# Allegro board pc065a_toplevel_61.brd (continued)
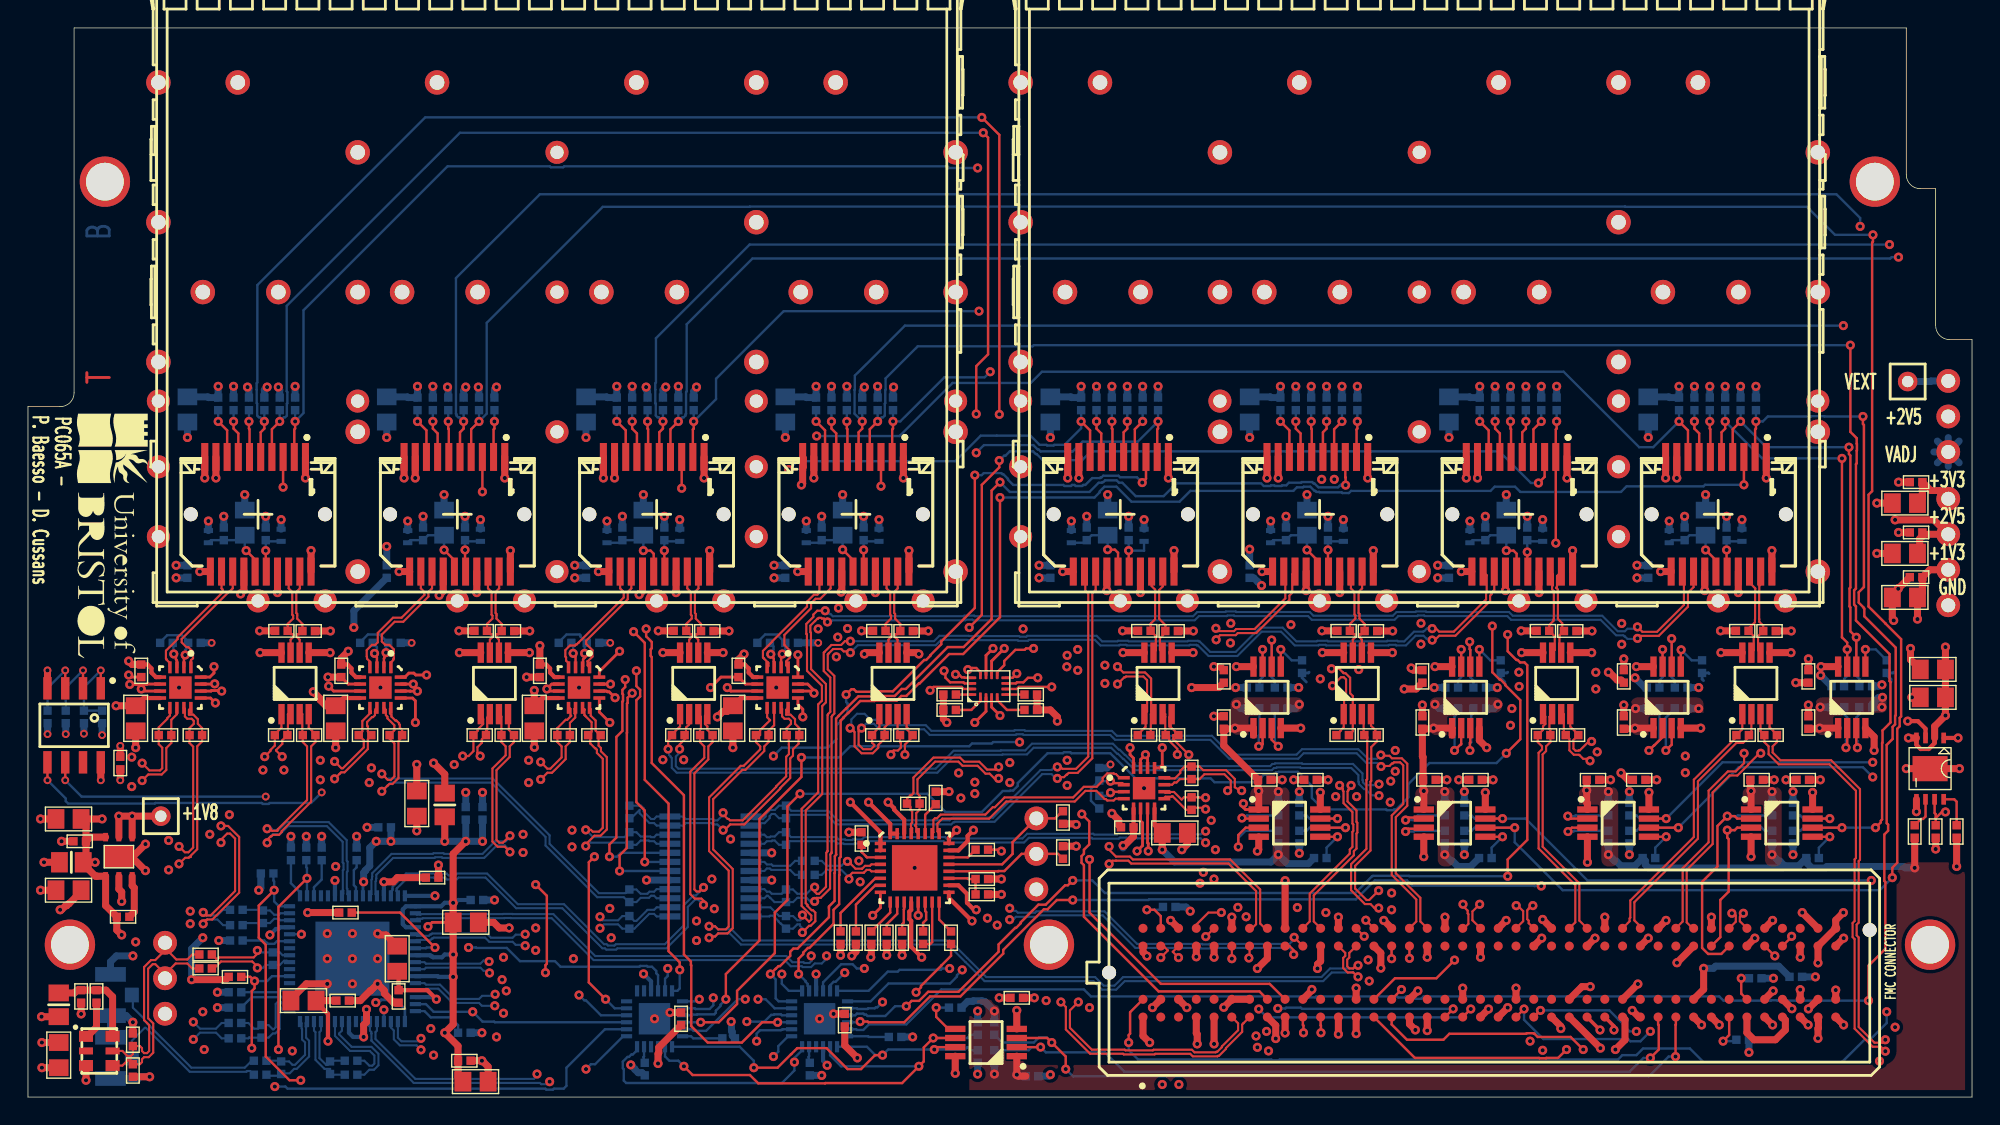
[diagram p0: board, top side]
## Routing (per net, layer and track width the routed paths; a pad name or vN(x,y) marks a point on that pad's centre or on a via; arc(x,y) is an arc through that point) (continued)
REC_CLK_FPGA_N: length 18.7
  TOP w0.15: IC13.11 81.81,22.35 81.97,22.51 82.12,22.51 82.36,22.75 R97.1 83.76,22.75 84.11,23.1 85.54,23.1 86,22.64 86,22.15 v1(85.78,21.93) ; v1(84.21,11.48) J10.H5
  L6_SIG w0.15: v1(85.78,21.93) 85.78,21.73 85.97,21.52 85.97,20.37 85.93,20.33 85.93,19.16 85.78,19.01 85.78,18.91 85.67,18.8 85.67,18.26 85.67,18.26 85.67,15.34 83.89,13.55 83.89,12.97 84.16,12.7 84.48,12.44 84.5,12.42 84.59,11.89 84.34,11.52 84.22,11.5 v1(84.21,11.48)
REC_CLK_FPGA_P: length 21
  TOP w0.15: J10.H4 83.53,12.34 84.4,13.2 85.32,13.2 v1(85.33,13.21) ; IC13.12 81.3,22.8 82,22.8 82.39,23.19 82.39,23.34 82.7,23.65 R97.2 83.77,23.65 84.03,23.39 85.66,23.39 86.29,22.76 86.29,22.17 86.6,21.98 86.66,22 v1(86.78,21.93)
  L6_SIG w0.15: v1(86.78,21.93) 86.6,21.93 86.28,21.61 86.28,20.24 86.24,20.2 86.24,19.03 86.09,18.88 86.09,18.78 85.98,18.68 85.98,18.14 85.98,18.13 85.98,15.21 84.2,13.42 84.2,13.1 84.37,12.93 84.64,12.7 84.7,12.7 84.83,12.73 85.12,13.15 85.3,13.18 v1(85.33,13.21)
RST_I2C_B: length 54.6
  TOP w0.17: v1(67.2,30.59) 67.39,30.59 67.5,30.7 67.8,30.7 68.1,30.4 IC21.12
  L6_SIG w0.17: v1(54.8,2.5) 55.15,2.85 57.71,2.85 58.18,3.33 58.53,3.33 61.88,6.67 61.88,7.12 62.5,7.74 62.5,9 63.3,9.8 63.3,12.54 63.08,12.76 63.08,13.29 63.3,13.51 63.3,15.6 62.88,16.02 62.88,16.12 62.83,16.16 62.83,16.64 62.88,16.68 62.88,22.77 66.47,26.38 66.47,26.52 67.58,27.62 67.58,30.21 v1(67.2,30.59)
  BOTTOM w0.17: IC10.24 55.35,3.35 54.8,2.8 v1(54.8,2.5) 54.8,1.9 53.91,1.01 42.77,1.01 42.6,1.18 42.6,1.99 42.53,2.06 42.53,2.54 42.86,2.87 42.97,2.87 43.15,3.05 43.25,3.05 43.55,3.35 IC23.24
RST_I2C_B_CVCC: length 43.3
  TOP w0.17: v1(71.9,32.1) 71.36,32.1 71.26,32 70.6,32 69.8,31.2 69.8,30.9 69.3,30.4 IC21.9 ; J10.D9 88.78,8.1 81,8.1 75.9,13.2 v1(75.9,17)
  L6_SIG w0.17: v1(75.9,17) 75.9,17.49 75.74,17.65 75.74,18.16 74.98,18.92 74.71,18.92 74.38,19.26 74.38,19.73 74.42,19.78 74.42,21.7 74.45,21.73 74.54,21.73 74.87,22.06 74.87,22.15 75.01,22.29 75.01,24.59 70.17,29.42 70.17,30.02 70.13,30.06 70.13,30.54 70.17,30.58 70.17,30.98 71.2,32 71.26,32 71.36,32.1 v1(71.9,32.1)
SFP_FAULT<0>: length 129.6
  TOP w0.17: v1(19.1,48.35) 19.1,47.83 19.04,47.77 J7.2
  L6_SIG w0.17: v1(59.8,9.2) 59.5,9.5 59.5,10.15 59.9,10.55 59.9,11 60,11.1 60,12.59 59.83,12.76 59.83,13.24 60,13.41 60,15.09 60.07,15.16 60.07,15.64 60,15.71 60,19.8 60.93,20.73 60.93,21.34 61.26,21.67 61.43,21.67 62.22,22.46 62.22,23.05 63.9,24.73 63.9,30 64.22,30.32 64.22,31.12 65.1,32 65.1,35 65.2,35.1 65.2,62.98 67.9,65.68 v1(67.9,66.48)
  BOTTOM w0.17: IC10.10 56.85,8.21 58.14,9.5 58.96,9.5 59.26,9.2 v1(59.8,9.2) ; R24.2 v1(19.1,48.35) 19.7,48.95 19.7,56.3 30,66.6 37.31,66.6 37.38,66.53 38.27,66.53 38.34,66.6 65.74,66.6 65.86,66.48 v1(67.9,66.48)
SFP_FAULT<1>: length 65.8
  TOP w0.17: J12.2 33.29,47.77 33.35,47.83 v1(33.35,48.35)
  L3_SIG w0.17: v1(39,9.9) 55,9.9 55.5,9.4 57.36,9.4 57.86,8.9 v1(58.4,8.9)
  L6_SIG w0.17: v1(33.35,48.35) 33.35,22.22 33.5,22.07 33.5,17 38.9,11.6 38.9,10.49 39,10.39 v1(39,9.9)
  BOTTOM w0.17: IC10.11 57.35,8 57.6,8.25 57.74,8.25 v1(58.4,8.9) ; R36.2 v1(33.35,48.35)
SFP_FAULT<2>: length 86.7
  TOP w0.17: J16.2 47.54,47.77 47.6,47.83 v1(47.6,48.35)
  L6_SIG w0.17: v1(68,56.23) 68,55.74 68.1,55.64 68.1,50.5 68.4,50.2 68.4,49.14 68.42,49.12 68.42,48.68 68.4,48.66 68.4,32.77 68.1,32.47 68.1,31.73 68.4,31.43 68.4,26.26 67.17,25.03 66.86,25.03 64.99,23.16 64.99,22.27 64.96,22.23 64.96,21.49 65,21.45 65,18.64 66.64,16.99 66.64,13.02 66.6,12.97 66.6,12.23 66.64,12.18 66.64,9.94 v1(65.9,9.2)
  BOTTOM w0.17: v1(68,56.23) 54.03,56.23 49.2,51.4 49.2,49.95 v1(47.6,48.35) R44.2 ; v1(65.9,9.2) 65.36,9.2 65.26,9.1 62.32,9.1 62.19,8.97 61.48,8.97 60.1,7.6 IC10.12
SFP_FAULT<3>: length 66.7
  TOP w0.17: v1(61.85,48.35) 61.85,47.83 61.79,47.77 J20.2
  L6_SIG w0.17: v1(68.8,51.9) 68.8,51.36 68.88,51.29 68.88,34.22 68.73,34.07 68.73,32.64 68.43,32.34 68.43,31.86 68.73,31.56 68.73,26.12 67.31,24.7 67,24.7 65.33,23.02 65.33,22.14 65.29,22.1 65.29,21.62 65.33,21.58 65.33,18.77 66.97,17.13 66.97,12.88 66.93,12.84 66.93,12.36 67.18,12.11 67.18,9.48 v1(66.8,9.1)
  BOTTOM w0.17: v1(66.8,9.1) 66.42,8.72 66.42,8.62 65.92,8.12 61.52,8.12 60.25,6.85 IC10.13 ; v1(68.8,51.9) 68.4,51.5 65.52,51.5 62.37,48.35 v1(61.85,48.35) R52.2
SFP_FAULT<4>: length 63.4
  TOP w0.17: J36.2 80.74,47.77 80.8,47.83 v1(80.8,48.35)
  L6_SIG w0.17: v1(61.1,6.8) 61.1,7.34 61,7.44 61,8.9 60.83,9.07 60.83,10.38 60.88,10.43 60.88,12.67 60.97,12.76 60.97,13.24 60.88,13.33 60.88,13.68 62.02,14.82 62.02,20.82 62.07,20.86 62.07,21.57 62.55,22.05 62.55,22.91 64.97,25.34 64.97,28.76 65.07,28.86 65.07,29.34 64.97,29.44 64.97,29.99 64.78,30.18 64.78,30.62 65.23,31.07 65.23,31.66 65.43,31.86 65.43,33.53 67.5,35.6 67.5,42.1 67.1,42.5 67.1,45.4 v1(67.8,46.1)
  BOTTOM w0.17: R125.2 v1(80.8,48.35) 79.35,46.9 75.4,46.9 74.7,46.2 72.4,46.2 72.26,46.34 72.19,46.34 71.88,46.65 68.35,46.65 v1(67.8,46.1) ; v1(61.1,6.8) 60.72,6.42 60.62,6.42 60.55,6.35 60.08,6.35 60.03,6.3 59.32,6.3 59.27,6.35 IC10.14
SFP_FAULT<5>: length 97.3
  TOP w0.17: v1(95.05,48.35) 95.05,47.83 94.99,47.77 J32.2 ; v1(105.8,15.8) 105.8,17 107.2,18.4 107.2,30.9 107,31.1 106.69,31.1 106.51,31.27 106.42,31.27 105.8,31.9 v1(105.8,33.1) ; v1(74.7,15.5) 74.35,15.15 74.15,15.15 72.76,13.77 72.25,13.77 70.98,12.5 70.98,12.44 70.65,12.1 70.58,12.1 69.4,10.92 69.4,10.4 66.53,7.53 64.36,7.53 63.71,6.88 63.18,6.88 v1(62.8,6.5)
  L6_SIG w0.17: v1(105.8,33.1) 105.31,33.1 105.21,33 103.51,33 99.98,36.53 99.03,36.53 98.41,37.16 98.41,38.04 98.7,38.34 98.7,45.8 96.15,48.35 v1(95.05,48.35)
  BOTTOM w0.17: v1(105.8,15.8) 98.77,15.8 98.74,15.83 96.16,15.83 96.13,15.8 96.1,15.8 94.9,14.6 77,14.6 76.1,15.5 v1(74.7,15.5) ; IC10.15 59.14,5.85 59.26,5.97 59.74,5.97 59.81,5.9 59.92,5.9 60.02,5.8 61.3,5.8 62,6.5 v1(62.8,6.5) ; R117.2 v1(95.05,48.35)
SFP_FAULT<6>: length 88.7
  TOP w0.17: v1(59.5,5.4) 60.04,5.4 60.09,5.35 62.65,5.35 64.5,7.2 66.67,7.2 69.73,10.26 69.73,10.53 72.64,13.44 72.9,13.44 73.57,14.1 v1(74.7,14.1) ; v1(109.3,48.35) 109.3,47.83 109.24,47.77 J28.2 v1(109.24,39.64)
  L6_SIG w0.17: v1(109.24,39.64) 109.24,23.94 108.2,22.9 v1(108.2,15.1)
  BOTTOM w0.17: R109.2 v1(109.3,48.35) ; v1(59.5,5.4) 59.45,5.35 IC10.16 ; v1(74.7,14.1) 80.1,14.1 80.15,14.14 94.94,14.14 96.3,15.5 98.6,15.5 98.97,15.12 107.68,15.12 107.71,15.1 v1(108.2,15.1)
SFP_FAULT<7>: length 130
  TOP w0.17: v1(123.55,48.35) 123.55,47.83 123.49,47.77 J24.2 ; v1(131.2,48.7) 131.2,48.16 131.27,48.09 131.27,36.49 130.9,36.12 130.9,35.38 131.27,35.01 131.27,34.96 131.3,34.93 131.3,34.4 133.54,32.16 133.54,27.32 133.5,27.27 133.5,26.67 133.32,26.49 133.32,25.62 132.9,25.2 132.9,19.59 133,19.49 133,19.06 132.73,18.79 132.73,15.46 132.8,15.39 132.8,10.6 131.6,9.4 v1(131.6,6.9)
  BOTTOM w0.17: R101.2 v1(123.55,48.35) 124.04,48.35 124.4,48.7 127.49,48.7 127.51,48.72 128.44,48.72 128.46,48.7 v1(131.2,48.7) ; v1(131.6,6.9) 125.09,6.9 125.07,6.93 124.63,6.93 124.61,6.9 121.23,6.9 120.93,7.2 99.79,7.2 99.62,7.03 99.14,7.03 98.97,7.2 98.52,7.2 98.44,7.12 97.97,7.12 97.89,7.2 92.11,7.2 92.04,7.13 91.56,7.13 91.49,7.2 76,7.2 75.5,7.7 65.3,7.7 62.8,5.2 60.13,5.2 59.73,4.8 59.27,4.8 59.22,4.85 IC10.17
SFP_I2C_SCL<0>: length 149.5
  TOP w0.17: v1(69.45,48.85) 69.45,68.85 v1(68.2,70.1) ; J7.5 16.64,47.57 16.9,47.83 v1(16.9,48.35) ; IC12.7 v1(93.63,19.93)
  L3_SIG w0.17: v1(69.45,48.85) 70.6,47.7 72.8,47.7 72.86,47.77 73.34,47.77 73.4,47.7 83.74,47.7 84.76,48.72 88.12,48.72 92.12,44.72 92.12,44.58 v1(92.5,44.2)
  L6_SIG w0.17: v1(92.5,44.2) 92.5,43.66 92.3,43.46 92.3,40.61 94.61,38.3 95.2,38.3 95.6,37.9 95.6,33.2 95.72,33.08 95.72,28.42 95.6,28.3 95.6,21.1 94.42,19.93 v1(93.63,19.93)
  BOTTOM w0.17: v1(93.63,19.93) 91.64,19.93 91.41,20.15 R140.1 ; R27.1 v1(16.9,48.35) 16.61,48.64 16.51,48.64 16.39,48.76 16.39,49.62 16.36,49.65 16.36,50.62 16.35,50.63 16.35,51.08 16.4,51.13 16.4,58.1 28.4,70.1 v1(68.2,70.1)
SFP_I2C_SCL<1>: length 198.7
  TOP w0.17: J12.5 30.89,47.57 31.15,47.83 v1(31.15,48.35) ; IC14.7 v1(105.43,19.93)
  L6_SIG w0.17: v1(131.8,15.5) 131.8,16.69 131.28,17.22 131.28,24.18 131.4,24.3 131.4,25.21 131.3,25.31 131.3,29.3 131.47,29.47 131.47,30.04 132,30.57 132,32.5 131.2,33.3 131.2,47.4 130.5,48.1 130.5,51.3 131,51.8 131,53.46 131.03,53.48 131.03,53.92 131,53.94 v1(131,62.3)
  BOTTOM w0.17: v1(131.8,15.5) 111.5,15.5 107.08,19.93 v1(105.43,19.93) 103.44,19.93 103.21,20.15 R145.1 ; v1(131,62.3) 131,62.9 129.3,64.6 36.6,64.6 30.6,58.6 30.6,48.9 30.64,48.86 30.64,48.76 30.76,48.64 30.86,48.64 v1(31.15,48.35) R39.1
SFP_I2C_SCL<2>: length 161
  TOP w0.17: J16.5 45.14,47.57 45.4,47.83 v1(45.4,48.35) ; IC15.7 v1(117.13,19.93)
  L6_SIG w0.17: v1(133.1,61) 133.1,55.2 131.67,53.77 131.67,49.07 131.82,48.92 131.82,48.48 131.6,48.26 131.6,36.76 132.37,35.99 132.37,35.51 131.6,34.74 131.6,33.57 132.4,32.77 132.4,30.5 131.8,29.9 131.8,27.4 132.6,26.6 132.6,24.16 132.39,23.95 v1(131.9,23.95)
  BOTTOM w0.17: R47.1 v1(45.4,48.35) 45.11,48.64 45.01,48.64 44.89,48.76 44.89,49.62 44.85,49.65 44.85,50.62 44.85,50.63 44.85,51.08 44.9,51.13 44.9,54.3 51.6,61 v1(133.1,61) ; R150.1 115.01,20.15 115.24,19.93 v1(117.13,19.93) 121.16,23.95 v1(131.9,23.95)
SFP_I2C_SCL<3>: length 119
  TOP w0.17: v1(59.65,48.35) 59.65,47.83 59.39,47.57 J20.5 ; IC16.7 v1(128.83,19.93)
  L6_SIG w0.17: v1(129.8,55.2) 129.1,54.5 129.1,42.1 129.4,41.8 129.4,20.5 v1(128.83,19.93)
  BOTTOM w0.17: v1(129.8,55.2) 62.7,55.2 59.12,51.62 59.12,50.62 59.1,50.6 59.1,48.9 v1(59.65,48.35) R55.1 ; v1(128.83,19.93) 126.94,19.93 126.71,20.15 R155.1
SFP_I2C_SCL<4>: length 28.1
  TOP w0.17: J36.5 78.34,47.57 78.6,47.83 v1(78.6,48.35) ; 88.28,30.8 v1(88.28,32.03)
  L6_SIG w0.17: v1(78.6,48.35) 80.5,46.45 80.5,41.8 82.47,39.84 82.47,39.39 82.51,39.34 82.51,38.87 82.47,38.82 82.47,37.84 85.83,34.47 86.24,34.47 86.57,34.14 86.57,33.73 v1(88.28,32.03)
  BOTTOM w0.17: R128.1 v1(78.6,48.35) ; v1(88.28,32.03) 88.28,30.04 88.05,29.81 R160.1
SFP_I2C_SCL<5>: length 28.1
  TOP w0.17: v1(92.85,48.35) 92.85,47.83 92.59,47.57 J32.5 ; IC18.7 v1(102.47,32.03)
  L6_SIG w0.17: v1(92.85,48.35) 94.8,46.4 94.8,41.84 94.95,41.69 94.95,41.65 97.07,39.53 97.07,37.56 99.43,35.2 99.89,35.2 102.47,32.62 v1(102.47,32.03)
  BOTTOM w0.17: v1(102.47,32.03) 102.47,30.04 102.25,29.81 R165.1 ; R120.1 v1(92.85,48.35)
SFP_I2C_SCL<6>: length 27.9
  TOP w0.17: J28.5 106.84,47.57 107.1,47.83 v1(107.1,48.35) ; IC19.7 v1(116.88,32.03)
  L6_SIG w0.17: v1(107.1,48.35) 108.7,46.75 108.7,44.6 109,44.3 109,41.53 116.88,33.66 v1(116.88,32.03)
  BOTTOM w0.17: R170.1 116.65,29.81 116.88,30.04 v1(116.88,32.03) ; R112.1 v1(107.1,48.35)
SFP_I2C_SCL<7>: length 30.7
  TOP w0.17: v1(121.35,48.35) 121.35,47.83 121.09,47.57 J24.5 ; IC20.7 v1(130.07,32.03) 130.07,32.52 129.7,32.9 v1(129.7,45.7)
  BOTTOM w0.17: R104.1 v1(121.35,48.35) 124,45.7 v1(129.7,45.7) ; v1(130.07,32.03) 130.07,30.14 129.85,29.91 R175.1
SFP_I2C_SDA<0>: length 148.2
  TOP w0.17: v1(68.3,69) 68.65,68.65 68.65,53.15 67.8,52.3 v1(67.8,48.88) ; v1(18,48.35) 17.44,47.79 J7.4 ; IC12.6 v1(94.2,19.27)
  L3_SIG w0.17: v1(93.4,44.2) 93.02,43.82 92.93,43.82 92.74,43.63 92.26,43.63 92.1,43.79 91.11,43.79 88.4,46.5 85.71,46.5 85.69,46.48 72.72,46.48 72,47.2 69.6,47.2 68.3,48.5 68.18,48.5 v1(67.8,48.88)
  L6_SIG w0.17: v1(93.4,44.2) 93.4,43.5 94.44,42.46 94.44,41.79 94.47,41.76 94.47,41.7 94.62,41.55 94.62,40.88 95.62,39.88 95.62,38.87 96.08,38.41 96.08,35.06 96.1,35.04 96.1,25.5 95.97,25.38 95.97,21.37 96.1,21.25 96.1,20.5 94.88,19.27 v1(94.2,19.27)
  BOTTOM w0.17: v1(68.3,69) 30.88,69 18.5,56.62 18.5,50.5 18.55,50.45 18.55,49.65 18.51,49.62 18.51,48.76 18.39,48.64 18.29,48.64 v1(18,48.35) R28.1 ; v1(94.2,19.27) 91.64,19.27 91.41,19.05 R139.1
SFP_I2C_SDA<1>: length 197.2
  TOP w0.17: v1(133.3,15.7) 133.3,16.41 133.65,16.76 133.65,26.35 133.83,26.53 133.83,27.14 133.93,27.24 133.93,32.76 132.83,33.86 132.83,33.87 131.6,35.1 131.6,43.1 131.86,43.36 131.86,61.14 131.92,61.2 v1(131.92,61.7) ; IC14.6 v1(106.3,19.27) ; J12.4 31.69,47.79 v1(32.25,48.35)
  BOTTOM w0.17: R144.1 103.21,19.05 103.44,19.27 v1(106.3,19.27) 106.3,18.23 109.73,14.8 132.4,14.8 v1(133.3,15.7) ; v1(131.92,61.7) 131.91,61.7 129.2,61.7 127.2,63.7 114.21,63.7 114.19,63.72 51.61,63.72 51.59,63.7 41.1,63.7 32.8,55.4 32.8,48.89 v1(32.25,48.35) R40.1
SFP_I2C_SDA<2>: length 160
  TOP w0.17: v1(46.5,48.35) 45.94,47.79 J16.4 ; IC15.6 v1(118,19.27)
  L6_SIG w0.17: v1(133.74,60.1) 133.74,54.74 132.9,53.9 132.9,34.41 132.83,34.34 132.83,33.86 132.9,33.79 132.9,30 133.4,29.5 133.4,27.2 132.93,26.73 132.93,24.03 132.9,24 132.9,23.27 132.53,22.9 v1(131.9,22.9)
  BOTTOM w0.17: R149.1 115.01,19.05 115.24,19.27 v1(118,19.27) 122.33,23.6 131.2,23.6 v1(131.9,22.9) ; v1(133.74,60.1) 133.25,60.1 133.15,60 51.8,60 47.1,55.3 47.1,50.5 47.05,50.45 47.05,48.9 47.01,48.86 47.01,48.76 46.89,48.64 46.79,48.64 v1(46.5,48.35) R48.1
SFP_I2C_SDA<3>: length 121.3
  TOP w0.17: IC16.6 v1(129.7,19.27) ; v1(132.1,19.27) 132.48,19.65 132.48,19.77 132.57,19.86 132.57,25.34 132.6,25.37 132.6,26.23 133.17,26.8 133.17,29.69 133.1,29.76 133.1,31.7 130.7,34.1 130.7,35.11 130.57,35.24 130.57,36.26 130.7,36.39 130.7,45.29 130.75,45.35 130.75,46.25 130.77,46.26 130.77,46.74 130.75,46.75 130.75,47.14 130.3,47.6 v1(130.3,53.8) ; J20.4 60.19,47.79 v1(60.75,48.35)
  BOTTOM w0.17: R56.1 v1(60.75,48.35) 61.04,48.64 61.14,48.64 61.26,48.76 61.26,49.62 61.3,49.65 61.3,50.59 61.32,50.62 61.32,51.42 63.62,53.72 71.83,53.72 71.91,53.8 v1(130.3,53.8) ; v1(132.1,19.27) v1(129.7,19.27) 126.94,19.27 126.71,19.05 R154.1
SFP_I2C_SDA<4>: length 29.2
  TOP w0.17: IC17.6 v1(88.92,32.7) ; J36.4 79.14,47.79 v1(79.7,48.35)
  L6_SIG w0.17: v1(88.92,32.7) 88.1,32.7 86.9,33.9 86.9,34.27 86.37,34.8 86,34.8 82.8,38 82.8,38.69 82.84,38.73 82.84,39.48 82.8,39.52 82.8,39.97 80.9,41.87 80.9,47.15 v1(79.7,48.35)
  BOTTOM w0.17: R159.1 89.15,29.81 88.92,30.04 v1(88.92,32.7) ; R129.1 v1(79.7,48.35)
SFP_I2C_SDA<5>: length 28.7
  TOP w0.17: v1(103.08,32.58) 103.08,32.04 103.12,32 IC18.6 ; v1(93.95,48.35) 93.39,47.79 J32.4
  L6_SIG w0.17: v1(93.95,48.35) 93.95,47.71 95.13,46.53 95.13,42.04 97.4,39.77 97.4,37.7 98.89,36.2 99.36,36.2 102.6,32.96 102.7,32.96 v1(103.08,32.58)
  BOTTOM w0.17: R121.1 v1(93.95,48.35) ; R164.1 103.35,29.81 103.12,30.04 103.12,32 103.08,32.04 v1(103.08,32.58)
SFP_I2C_SDA<6>: length 28.6
  TOP w0.17: v1(108.2,48.35) 107.64,47.79 J28.4 ; IC19.6 v1(117.53,32.8)
  L6_SIG w0.17: v1(117.53,32.8) 117.53,33.48 109.33,41.67 109.33,47.22 v1(108.2,48.35)
  BOTTOM w0.17: v1(117.53,32.8) 117.53,30.04 117.75,29.81 R169.1 ; R113.1 v1(108.2,48.35)
SFP_I2C_SDA<7>: length 31.7
  TOP w0.17: 130.72,30.8 v1(130.72,32.9) 130.3,33.33 130.3,35.04 130.24,35.1 130.24,36.4 130.3,36.46 130.3,45.91 130.2,46.01 v1(130.2,46.5) ; v1(122.45,48.35) 121.89,47.79 J24.4
  BOTTOM w0.17: v1(130.72,32.9) 130.72,30.14 130.95,29.91 R174.1 ; R105.1 v1(122.45,48.35) 124.3,46.5 127.49,46.5 127.51,46.48 128.44,46.48 128.46,46.5 v1(130.2,46.5)
SFP_LOS<0>: length 88.4
  TOP w0.17: J7.8 14.24,47.71 v1(13.6,48.35)
  L3_SIG w0.17: v1(31.5,10.7) 30.9,10.7 30.75,10.85 30.15,10.85 29.2,9.9 26.5,9.9 25.6,9 18.2,9 17.3,9.9 8.9,9.9 v1(7.7,11.1)
  L6_SIG w0.17: v1(7.7,11.1) 7.7,11.8 5.9,13.6 5.9,27.59 5.73,27.76 5.73,28.24 6.06,28.57 6.13,28.57 6.25,28.69 6.25,44.95 9.65,48.35 v1(13.6,48.35)
  BOTTOM w0.17: R25.2 v1(13.6,48.35) ; IC23.10 45.05,8.73 44.92,8.86 44.92,9.02 44.62,9.33 44.31,9.33 44.25,9.38 43.78,9.38 43.72,9.33 38.08,9.33 37.68,9.72 35.17,9.72 34.23,10.67 32.07,10.67 32.04,10.7 v1(31.5,10.7)
SFP_LOS<1>: length 71.4
  TOP w0.17: v1(37,8.9) 37,9.44 37.1,9.54 37.1,14.4 v1(36.3,15.2) ; v1(27.85,48.35) 28.49,47.71 J12.8
  L3_SIG w0.17: v1(36.3,15.2) 34.7,15.2 34.4,15.5 29.4,15.5 29.1,15.8 26.6,15.8 26.25,16.15 22.35,16.15 v1(22,16.5) ; v1(45.74,9.2) 44.74,9.2 44.62,9.33 44.31,9.33 44.25,9.38 43.78,9.38 43.67,9.28 37.38,9.28 v1(37,8.9)
  L6_SIG w0.17: v1(27.85,48.35) 25.95,48.35 22.4,44.8 22.4,32.21 22.33,32.14 22.33,31.66 22.4,31.59 22.4,25.6 22.52,25.48 22.52,25.28 22.57,25.24 22.57,24.76 22.52,24.72 22.52,17.02 v1(22,16.5)
  BOTTOM w0.17: R37.2 v1(27.85,48.35) ; IC23.11 45.55,8.47 45.74,8.66 v1(45.74,9.2)
SFP_LOS<2>: length 47
  TOP w0.17: v1(42.1,48.35) 42.74,47.71 J16.8 ; v1(43.3,33.3) 44.1,32.5 44.1,22.7 45.8,21 45.8,10.44 46.6,9.64 v1(46.6,9.1)
  L6_SIG w0.17: v1(43.3,33.3) 42.9,33.7 42.9,38.8 43.3,39.2 43.3,47.15 v1(42.1,48.35)
  BOTTOM w0.17: v1(46.6,9.1) 46.6,7.77 46.43,7.6 IC23.12 ; R45.2 v1(42.1,48.35)
SFP_LOS<3>: length 50
  TOP w0.17: J20.8 56.99,47.71 v1(56.35,48.35)
  L6_SIG w0.17: v1(48,7) 48,9.5 49.9,11.4 49.9,16.5 50.8,17.4 50.8,23.9 50.97,24.07 50.97,24.83 51.02,24.88 51.02,25.12 50.97,25.17 50.97,25.93 50.8,26.1 50.8,31.29 50.63,31.46 50.63,31.94 50.73,32.04 50.73,32.33 50.68,32.38 50.68,32.62 50.73,32.67 50.73,32.74 50.8,32.81 50.8,35.04 50.82,35.06 50.82,42.32 53.8,45.3 53.8,45.8 v1(56.35,48.35)
  BOTTOM w0.17: v1(48,7) 47.85,6.85 IC23.13 ; R53.2 v1(56.35,48.35)
SFP_LOS<4>: length 70.2
  TOP w0.17: J36.8 75.94,47.71 v1(75.3,48.35)
  L6_SIG w0.17: v1(49,7.1) 49,7.64 49.1,7.74 49.1,8.57 51.67,11.14 51.67,31.36 51.77,31.46 51.77,31.53 52,31.76 52,32.54 51.87,32.67 51.87,38.38 53.27,39.78 53.27,40.85 53,41.12 53,43.7 53.82,44.52 54.02,44.52 v1(54.4,44.9)
  BOTTOM w0.17: v1(49,7.1) 49,6.56 48.74,6.3 47.72,6.3 47.67,6.35 IC23.14 ; v1(54.4,44.9) 54.9,45.4 55.24,45.4 55.34,45.5 66.3,45.5 68.13,47.32 69.26,47.32 69.26,47.33 71.67,47.33 72.33,46.67 72.82,46.67 72.86,46.63 73.34,46.63 73.38,46.67 74.12,46.67 75.3,47.85 v1(75.3,48.35) R126.2
SFP_LOS<5>: length 88
  TOP w0.17: v1(49.9,7) 49.9,8.8 52.3,11.2 52.3,19.9 55.3,22.9 v1(55.3,24.3) ; J32.8 90.19,47.71 v1(89.55,48.35)
  L3_SIG w0.17: v1(71.15,33.5) 71.53,33.88 71.53,33.93 72.03,34.42 85.72,34.42 85.76,34.47 86.24,34.47 86.28,34.42 89.17,34.42 89.8,33.8 v1(90.3,33.8)
  L6_SIG w0.17: v1(70.9,25.4) 70.9,27.8 69.5,29.2 69.5,31.06 69.97,31.53 70.04,31.53 70.37,31.86 70.37,31.93 71.15,32.71 v1(71.15,33.5) ; v1(90.3,33.8) 89.42,34.67 89.42,37.83 89.92,38.32 89.92,40.71 90.52,41.32 90.52,43.5 89.96,44.06 89.96,44.53 89.92,44.58 89.92,47.98 v1(89.55,48.35)
  BOTTOM w0.17: IC23.15 47.47,5.85 47.52,5.9 47.84,5.9 47.86,5.92 49.08,5.92 49.18,6.03 49.18,6.18 49.52,6.52 49.52,6.62 v1(49.9,7) ; v1(70.9,25.4) 69.01,25.4 68.91,25.3 67.5,25.3 67.3,25.1 58.8,25.1 58,24.3 v1(55.3,24.3) ; R118.2 v1(89.55,48.35)
SFP_LOS<6>: length 108.4
  TOP w0.17: v1(105.7,24.6) 106.7,25.6 106.7,28.4 105.62,29.48 105.62,29.54 105.29,29.87 105.23,29.87 104.7,30.4 v1(104.7,33.7) ; v1(103.8,48.35) 104.44,47.71 J28.8 ; v1(48.1,5.35) 49.39,5.35 50.7,6.66 50.7,7.6 53.4,10.3 53.4,13.2 54.3,14.1 54.3,20.8 v1(55.2,21.7)
  L6_SIG w0.17: v1(103.8,48.35) 104.8,47.35 104.8,34.7 104.7,34.6 v1(104.7,33.7)
  BOTTOM w0.17: R110.2 v1(103.8,48.35) ; IC23.16 v1(48.1,5.35) ; v1(105.7,24.6) 105,23.9 100.2,23.9 98.7,22.4 98.7,21.45 97.83,20.58 97.69,20.58 97.64,20.53 97.16,20.53 97.11,20.58 92.62,20.58 91.8,21.4 91.8,22.26 90.79,23.27 89.42,23.27 89.37,23.23 89.22,23.23 89.07,23.07 88.37,23.07 87.83,22.53 84.84,22.53 84.57,22.8 79.19,22.8 77.39,24.6 74.61,24.6 74.54,24.67 74.06,24.67 73.99,24.6 72.9,24.6 70.77,22.47 70.77,22.26 70.44,21.93 70.23,21.93 70.2,21.9 69.7,21.9 68.2,20.4 65.6,20.4 64.3,21.7 v1(55.2,21.7)
SFP_LOS<7>: length 118.5
  TOP w0.17: J24.8 118.69,47.71 v1(118.05,48.35)
  L6_SIG w0.17: v1(56.39,47.3) 56.39,45.79 55.47,44.87 55.37,44.87 54.82,44.32 54.82,44.22 53.33,42.73 53.33,41.26 53.6,40.99 53.6,39.2 52.2,37.8 52.2,32.81 52.33,32.68 52.33,31.62 52.1,31.39 52.1,31.33 52,31.23 52,11 51.37,10.37 51.37,7.62 51.29,7.54 v1(51.29,7)
  BOTTOM w0.17: R102.2 v1(118.05,48.35) 116.2,46.5 115.2,46.5 109.8,51.9 72.5,51.9 71.7,51.1 66.11,51.1 62.31,47.3 v1(56.39,47.3) ; v1(51.29,7) 50.75,7 48.48,4.73 47.59,4.73 47.47,4.85 IC23.17
SFP_TD_N: length 6.4
  TOP w0.15: U3.6 19.43,32.73 19.25,32.91 19.25,33.12 19.39,33.12 R23.1 19.62,33.85 19.25,34.24 19.25,34.45 19.25,34.57 19.18,34.64 19.18,36.14 19.44,36.4 J7.19
SFP_TD_N_1: length 6.4
  TOP w0.15: U4.6 33.67,32.73 33.5,32.91 33.5,33.12 33.64,33.12 R35.1 33.87,33.85 33.5,34.24 33.5,34.45 33.5,34.57 33.44,34.64 33.44,36.14 33.69,36.4 J12.19
SFP_TD_N_2: length 6.4
  TOP w0.15: 47.92,31.8 47.92,32.73 47.74,32.91 47.74,33.12 47.89,33.12 R43.1 48.12,33.85 47.75,34.24 47.75,34.45 47.75,34.57 47.69,34.64 47.69,36.14 47.94,36.4 J16.19
SFP_TD_N_3: length 6.4
  TOP w0.15: J20.19 62.19,36.4 61.94,36.14 61.94,34.64 62,34.57 62,34.45 62,34.24 62.37,33.85 R51.1 62.14,33.12 61.99,33.12 61.99,32.91 62.17,32.73 U6.6
SFP_TD_N_4: length 6.2
  TOP w0.15: U7.6 123.7,31.98 123.7,32.98 R100.1 124.07,33.73 123.79,34.01 123.79,34.19 123.78,34.2 123.78,36.08 123.79,36.1 123.79,36.59 123.89,36.69 J24.19
SFP_TD_N_5: length 6.4
  TOP w0.15: U8.6 109.5,31.92 109.5,33.03 R108.1 109.7,33.48 109.7,33.9 109.54,34.06 109.54,34.07 109.39,34.22 109.39,36.31 109.26,36.44 109.33,36.5 109.33,37.29 J28.19
SFP_TD_N_6: length 6.4
  TOP w0.15: J32.19 95.39,36.4 95.14,36.14 95.14,34.64 95.2,34.57 95.2,34.45 95.2,34.24 95.57,33.85 R116.1 95.34,33.12 95.19,33.12 95.19,32.91 95.38,32.73 U9.6
SFP_TD_N_7: length 6.3
  TOP w0.15: J36.19 81.14,36.54 80.88,36.28 80.88,34.4 80.88,34.23 81.32,33.77 R124.1 81.32,33.22 80.94,32.84 80.94,31.99 U10.6
SFP_TD_P: length 6.4
  TOP w0.15: J7.18 18.64,36.4 18.89,36.14 18.89,34.52 18.96,34.45 18.96,34.24 18.57,33.86 R22.1 18.81,33.12 18.95,33.12 18.95,32.91 18.77,32.73 U3.7
SFP_TD_P_1: length 6.4
  TOP w0.15: 33.02,31.8 33.02,32.73 33.2,32.91 33.2,33.12 33.06,33.12 R34.1 32.82,33.86 33.21,34.24 33.21,34.45 33.14,34.52 33.14,36.14 32.89,36.4 J12.18
SFP_TD_P_2: length 6.4
  TOP w0.15: J16.18 47.14,36.4 47.4,36.14 47.4,34.52 47.46,34.45 47.46,34.24 47.07,33.86 R42.1 47.31,33.12 47.45,33.12 47.45,32.91 47.27,32.73 U5.7
SFP_TD_P_3: length 6.4
  TOP w0.15: J20.18 61.39,36.4 61.65,36.14 61.65,34.52 61.71,34.45 61.71,34.24 61.32,33.86 R50.1 61.56,33.12 61.7,33.12 61.7,32.91 61.52,32.73 U6.7
SFP_TD_P_4: length 6.4
  TOP w0.15: J24.18 123.09,36.81 123.5,36.4 123.5,36.22 123.49,36.2 123.49,34.2 123.48,34.19 123.48,33.97 123.02,33.53 R99.1 123.39,32.99 123.39,31.97 U7.7
SFP_TD_P_5: length 6.3
  TOP w0.15: U8.7 109.17,31.99 109.17,32.97 R107.1 108.77,33.78 109.07,34.07 109.07,34.16 109.1,34.19 109.1,36.19 108.97,36.32 108.97,36.56 109.03,36.62 109.03,37.41 J28.18
SFP_TD_P_6: length 6.4
  TOP w0.15: J32.18 94.59,36.4 94.84,36.14 94.84,34.52 94.91,34.45 94.91,34.24 94.52,33.86 R115.1 94.76,33.12 94.91,33.12 94.91,32.91 94.72,32.73 U9.7
SFP_TD_P_7: length 6.3
  TOP w0.15: U10.7 80.64,31.97 80.64,32.95 80.6,32.99 80.6,33.03 R123.1 80.28,33.88 80.59,34.19 80.59,34.4 80.59,36.31 80.34,36.56 J36.18
SFP_TX_DISABLE<0>: length 81.2
  TOP w0.17: J7.3 v1(18.24,43.64)
  L3_SIG w0.17: v1(18.9,3.3) 25.9,3.3 26.77,2.43 30.23,2.43 30.97,3.17 32.69,3.17 32.74,3.12 32.99,3.12 33.01,3.11 33.99,3.11 34.01,3.12 35.67,3.12 35.75,3.21 37.05,3.21 37.13,3.12 45.32,3.12 45.52,2.93 51.36,2.93 51.42,2.87 51.55,2.87 51.61,2.81 52.59,2.81 52.68,2.9 v1(53.3,2.9)
  L6_SIG w0.17: v1(18.9,3.3) 18.2,4 18.2,21.3 19.31,22.41 19.31,26.39 19,26.7 19,42.88 v1(18.24,43.64)
  BOTTOM w0.17: v1(53.3,2.9) 53.65,3.25 53.65,3.65 54.35,4.35 IC10.1
SFP_TX_DISABLE<1>: length 64.6
  TOP w0.17: J12.3 v1(32.49,43.31)
  L3_SIG w0.17: v1(52.1,4) 51.56,4 51.55,4.01 48.69,4.01 48.57,4.13 37.47,4.13 37.44,4.16 34.18,4.16 34.04,4.3 v1(33.5,4.3)
  L6_SIG w0.17: v1(32.49,43.31) 32.9,42.9 32.9,41.57 32.92,41.55 32.92,22.19 33.07,22.04 33.07,21.56 33.02,21.52 33.02,18.58 33.07,18.54 33.07,18.06 33.02,18.02 33.02,17.82 32.2,17 32.2,7.71 32.38,7.53 32.38,6.12 33.5,5 v1(33.5,4.3)
  BOTTOM w0.17: IC10.2 53.97,4.85 53.93,4.81 53.87,4.81 53.84,4.78 52.34,4.78 52.1,4.54 v1(52.1,4)
SFP_TX_DISABLE<2>: length 52.2
  TOP w0.17: J16.3 v1(46.74,43.56) ; v1(44.2,33.5) 44.2,32.96 44.6,32.56 44.6,32.11 44.53,32.04 44.53,31.56 44.6,31.49 44.6,23.9 46.9,21.6 46.9,10.2 47.4,9.7 47.4,9.44 47.42,9.42 47.42,5.08 48.6,3.9 51.04,3.9 52.49,5.35 v1(53.6,5.35)
  L6_SIG w0.17: v1(46.74,43.56) 47.4,42.9 47.4,36.41 46.91,35.92 46.91,35.86 46.58,35.53 46.51,35.53 45.42,34.43 45.36,34.43 44.86,33.93 44.83,33.93 44.78,33.88 44.58,33.88 v1(44.2,33.5)
  BOTTOM w0.17: v1(53.6,5.35) IC10.3
SFP_TX_DISABLE<3>: length 49.1
  TOP w0.17: J20.3 v1(60.99,43.71)
  L6_SIG w0.17: v1(60.99,43.71) 55.56,38.28 55.56,37.88 55.61,37.84 55.61,37.36 55.56,37.32 55.56,33.63 55.67,33.52 55.67,33.08 55.58,32.98 55.58,31.93 55.62,31.89 55.62,31.41 55.5,31.29 55.5,28.04 55.83,27.72 55.83,27.58 55.97,27.44 55.97,26.96 55.83,26.82 55.83,24.58 55.87,24.54 55.87,24.06 55.83,24.02 55.83,21.32 54.8,20.3 54.8,13.97 52.9,12.07 52.9,9.43 52.51,9.04 52.51,8.56 52.9,8.17 52.9,6.36 51.94,5.4 v1(51.4,5.4)
  BOTTOM w0.17: IC10.4 53.91,5.85 53.84,5.92 53.36,5.92 53.32,5.88 53.14,5.88 52.66,5.4 v1(51.4,5.4)
